# Allegro board SG2042_EVB_V1_1.brd (continued)
## Routing (per net, layer and track width the routed paths; a pad name or vN(x,y) marks a point on that pad's centre or on a via; arc(x,y) is an arc through that point) (continued)
DDR0_DQ12: length 91
  TOP w0.16: U1.AM54 v1(163.97,102.15)
  BOTTOM w0.089: 188.29,153.43 188.29,153.42
  BOTTOM w0.114: v1(163.97,102.15) 164.59,102.76 166.65,102.76 167.54,103.65 168.5,103.65 170.25,105.4 170.25,134.89 177.03,141.68 178.57,141.68 188.82,151.93 188.82,152.88 188.29,153.42
  BOTTOM w0.16: 188.29,153.43 188.29,153.92 187.44,154.77 187.44,157.17 187.81,157.54 187.81,157.76 187.45,158.12 187.45,158.34 187.74,158.63 187.96,158.63 188.32,158.27 188.54,158.27 189.06,158.78 194.48,158.78 194.69,158.57 195.05,158.57 arc(195.35,158.51) 195.61,158.34 196.01,157.94 arc(196.24,157.79) 196.52,157.73 196.58,157.73 arc(196.83,157.78) 197.04,157.92 197.46,158.34 arc(197.72,158.51) 198.02,158.57 198.87,158.57 arc(199.17,158.51) 199.43,158.34 199.83,157.94 arc(200.06,157.79) 200.34,157.73 201.13,157.73 arc(201.43,157.79) 201.69,157.97 202.07,158.34 arc(202.33,158.51) 202.63,158.57 205.59,158.57 arc(205.79,158.53) J1.14
DDR0_DQ13: length 90.2
  TOP w0.16: U1.AM55 v1(164.97,102.15)
  BOTTOM w0.089: 189.01,153.43 189.19,153.25 189.19,151.78 178.72,141.31 177.24,141.31 170.62,134.69 170.62,105.25 168.65,103.28 167.54,103.28 166.78,102.52 165.35,102.52 v1(164.97,102.15)
  BOTTOM w0.16: J1.159 205.87,157.57 arc(205.57,157.63) 205.31,157.81 205.09,158.03 arc(204.83,158.2) 204.52,158.26 203.6,158.26 arc(203.29,158.2) 203.03,158.03 202.66,157.65 arc(202.4,157.48) 202.09,157.42 200.24,157.42 arc(199.94,157.48) 199.68,157.65 199.29,158.05 arc(199.05,158.21) 198.77,158.26 198.67,158.26 arc(198.36,158.2) 198.1,158.03 197.73,157.65 arc(197.47,157.48) 197.16,157.42 196.42,157.42 arc(196.12,157.48) 195.86,157.65 195.45,158.06 arc(195.23,158.21) 194.97,158.26 194.68,158.26 194.48,158.06 189.35,158.06 188.16,156.87 188.16,155.07 189.01,154.22 189.01,153.43
DDR0_DQ14: length 88
  TOP w0.16: U1.AR56 v1(165.97,99.15)
  BOTTOM w0.114: 182.03,139.13 182.03,138.52 174.07,130.57 174.07,103.52 170.17,99.62 166.98,99.62 166.51,99.15 v1(165.97,99.15)
  BOTTOM w0.16: J1.21 204.14,152.25 203.47,152.25 arc(203.16,152.19) 202.9,152.01 202.05,151.17 arc(201.8,150.99) 201.49,150.93 200.36,150.93 arc(200.1,150.98) 199.88,151.13 199.46,151.55 arc(199.2,151.72) 198.9,151.78 198.03,151.78 arc(197.72,151.72) 197.46,151.55 197.05,151.13 arc(196.83,150.98) 196.57,150.93 196.36,150.93 arc(196.05,150.99) 195.79,151.17 195.57,151.39 arc(195.31,151.56) 195.01,151.62 194.86,151.62 arc(194.55,151.56) 194.29,151.39 190.53,147.63 190.53,147.4 190.87,147.06 190.87,146.83 190.59,146.55 190.36,146.55 190.02,146.89 189.8,146.89 189.51,146.61 189.51,146.38 190.16,145.73 190.16,145.51 189.88,145.22 189.65,145.22 189,145.87 188.78,145.87 188.49,145.59 188.49,145.36 189.14,144.71 189.14,144.49 188.86,144.2 188.63,144.2 187.98,144.85 187.76,144.85 187.47,144.57 187.47,144.34 188.12,143.7 188.12,143.47 187.84,143.19 187.61,143.19 186.97,143.83 186.74,143.83 186.46,143.55 186.46,143.33 187.1,142.68 187.1,142.45 186.82,142.17 186.6,142.17 185.95,142.82 185.72,142.82 182.03,139.13
DDR0_DQ15: length 89.8
  TOP w0.16: U1.AT53 v1(162.97,98.15)
  BOTTOM w0.089: 182.54,138.62 182.54,138.51 174.44,130.41 174.44,103.37 170.32,99.25 166.99,99.25 166.49,98.75 163.58,98.75 v1(162.97,98.15)
  BOTTOM w0.16: 182.54,138.62 183.3,139.37 183.52,139.37 183.84,139.06 184.07,139.06 184.35,139.34 184.35,139.57 184.03,139.88 184.03,140.11 184.32,140.39 184.54,140.39 184.86,140.08 185.08,140.08 185.37,140.36 185.37,140.58 185.05,140.9 185.05,141.13 185.37,141.45 187.12,141.45 191.61,145.93 191.61,147.68 193.61,149.69 arc(193.87,149.86) 194.18,149.92 195.01,149.92 arc(195.31,149.98) 195.57,150.16 195.79,150.38 arc(196.05,150.55) 196.36,150.61 197.3,150.61 arc(197.6,150.67) 197.86,150.85 198.29,151.27 arc(198.5,151.41) 198.75,151.46 198.78,151.46 arc(199.03,151.41) 199.24,151.27 199.66,150.85 arc(199.92,150.67) 200.23,150.61 201.89,150.61 arc(202.2,150.67) 202.46,150.85 202.76,151.15 arc(203.02,151.32) 203.33,151.38 203.63,151.38 arc(203.77,151.41) 203.89,151.49 203.91,151.51 arc(204.03,151.59) 204.17,151.62 204.4,151.62 arc(204.71,151.68) 204.97,151.86 205.35,152.24 arc(205.61,152.41) 205.92,152.47 206.3,152.47 arc(206.61,152.41) 206.87,152.24 207.25,151.86 arc(207.51,151.68) 207.82,151.62 J1.166
DDR0_DQ16: length 78.4
  TOP w0.16: U1.AG52 v1(161.97,107.15)
  ART03 w0.089: 166.97,108.79 166.95,108.77 166.39,108.77 166.17,108.55 161.79,108.55 161.57,108.33 161.57,107.55 v1(161.97,107.15)
  ART03 w0.168: 166.97,108.79 169.45,111.27 169.45,127.78 179.64,137.98 179.64,138.22 179.33,138.53 179.33,138.77 179.63,139.06 179.86,139.06 180.18,138.75 180.42,138.75 180.71,139.05 180.71,139.28 180.4,139.6 180.4,139.83 180.69,140.13 180.93,140.13 181.25,139.82 181.48,139.82 181.78,140.11 181.78,140.35 181.46,140.66 181.46,140.9 181.76,141.2 182,141.2 182.31,140.88 182.55,140.88 182.85,141.18 182.85,141.42 182.53,141.73 182.53,141.97 182.83,142.26 183.07,142.26 183.38,141.95 183.62,141.95 183.91,142.25 183.91,142.48 183.6,142.8 183.6,143.04 183.9,143.33 184.13,143.33 184.45,143.02 184.68,143.02 185.08,143.42 185.08,144.52 188.19,147.62 194.23,147.62 194.67,148.06 194.98,148.06 arc(195.23,148.01) 195.44,147.87 195.85,147.46 arc(196.13,147.28) 196.45,147.22 197.28,147.22 arc(197.6,147.28) 197.87,147.46 198.28,147.87 arc(198.5,148.02) 198.75,148.06 198.78,148.06 arc(199.03,148.02) 199.24,147.87 199.65,147.46 arc(199.93,147.28) 200.25,147.22 203.98,147.22 arc(204.19,147.26) J1.27
DDR0_DQ17: length 79.8
  TOP w0.16: U1.AH51 v1(160.97,107.15)
  ART03 w0.089: v1(160.97,107.15) 161.38,107.55 161.38,108.41 161.71,108.74 166.09,108.74 166.75,109.4
  ART03 w0.168: J1.172 207.83,146.52 arc(207.51,146.59) 207.24,146.77 206.88,147.13 arc(206.61,147.31) 206.29,147.37 205.93,147.37 arc(205.61,147.44) 205.34,147.62 204.98,147.98 arc(204.71,148.16) 204.39,148.22 203.11,148.22 arc(202.79,148.16) 202.52,147.98 202.32,147.77 arc(202.04,147.59) 201.72,147.53 200.35,147.53 arc(200.1,147.58) 199.88,147.72 199.47,148.13 arc(199.2,148.31) 198.88,148.38 198.05,148.38 arc(197.73,148.31) 197.45,148.13 197.04,147.72 arc(196.83,147.58) 196.58,147.53 196.55,147.53 arc(196.3,147.58) 196.08,147.72 195.67,148.13 arc(195.4,148.31) 195.08,148.38 194.68,148.38 194.57,148.49 192.89,148.49 192.64,148.74 192.34,148.74 192.09,148.49 191.79,148.49 191.54,148.74 191.24,148.74 190.99,148.49 190.69,148.49 190.44,148.74 190.15,148.74 189.89,148.49 188.22,148.49 178.64,138.91 178.64,137.82 169.09,128.27 169.09,128.25 168.86,128.03 168.86,111.51 166.75,109.4
DDR0_DQ18: length 79.4
  TOP w0.16: U1.AL51 v1(160.97,103.15)
  ART03 w0.089: v1(160.97,103.15) 161.57,103.74 167.47,103.74 167.98,104.25
  ART03 w0.168: 167.98,104.25 168.25,104.25 173.53,109.53 173.53,124.33 182.12,132.92 182.12,133.16 181.48,133.8 181.48,134.04 181.77,134.34 182.01,134.34 182.65,133.69 182.89,133.69 183.19,133.99 183.19,134.23 182.54,134.87 182.54,135.11 182.84,135.4 183.08,135.4 183.72,134.76 183.96,134.76 184.26,135.06 184.26,135.29 183.61,135.94 183.61,136.18 183.91,136.47 184.14,136.47 184.79,135.83 185.03,135.83 185.32,136.12 185.32,136.36 184.68,137.01 184.68,137.24 189.15,141.71 194.54,141.71 194.68,141.58 195.08,141.58 arc(195.4,141.51) 195.67,141.33 196.08,140.92 arc(196.3,140.78) 196.55,140.73 196.95,140.73 arc(197.27,140.79) 197.54,140.97 197.9,141.33 arc(198.17,141.51) 198.49,141.58 198.87,141.58 arc(199.19,141.51) 199.47,141.33 199.86,140.93 arc(200.09,140.78) 200.36,140.73 201.1,140.73 arc(201.42,140.79) 201.69,140.97 202.05,141.33 arc(202.32,141.51) 202.64,141.58 205.58,141.58 arc(205.79,141.54) J1.34
DDR0_DQ19: length 78.4
  TOP w0.16: U1.AL52 v1(161.97,103.15)
  ART03 w0.089: v1(161.97,103.15) 162.38,103.55 167.55,103.55 167.66,103.66 167.98,103.66
  ART03 w0.168: 167.98,103.66 168.49,103.66 174.11,109.29 174.11,124.07 187.03,136.98 187.03,137.22 186.4,137.85 186.4,138.09 186.7,138.38 186.93,138.38 187.56,137.76 187.8,137.76 188.1,138.05 188.1,138.29 187.47,138.92 187.47,139.16 187.76,139.45 188,139.45 188.63,138.82 188.87,138.82 189.16,139.12 189.16,139.36 188.53,139.99 188.53,140.22 189.44,141.13 194.53,141.13 194.67,141.26 194.98,141.26 arc(195.23,141.21) 195.44,141.07 195.85,140.66 arc(196.13,140.48) 196.45,140.42 197.28,140.42 arc(197.6,140.48) 197.87,140.66 198.28,141.07 arc(198.5,141.22) 198.75,141.26 198.78,141.26 arc(199.03,141.22) 199.24,141.07 199.65,140.66 arc(199.93,140.48) 200.25,140.42 202.09,140.42 arc(202.41,140.48) 202.68,140.66 203.04,141.02 arc(203.31,141.2) 203.63,141.26 204.54,141.26 arc(204.87,141.2) 205.14,141.02 205.34,140.82 arc(205.61,140.64) 205.93,140.57 J1.179
DDR0_DQ20: length 80.7
  TOP w0.16: U1.AH49 v1(158.97,106.15)
  ART03 w0.089: v1(158.97,106.15) 159.57,106.74 159.57,109.31 159.81,109.55 165.14,109.55 165.64,110.05 166.11,110.05 166.49,110.43 166.95,110.43 166.97,110.45
  ART03 w0.168: 166.97,110.45 168.28,111.76 168.28,128.27 168.48,128.47 168.48,128.5 175.9,135.92 175.9,136.16 175.42,136.64 175.42,136.88 175.72,137.17 175.96,137.17 176.44,136.69 176.67,136.69 176.97,136.99 176.97,137.23 176.49,137.71 176.49,137.94 176.79,138.24 177.03,138.24 177.5,137.76 177.74,137.76 178.04,138.06 178.04,138.29 177.56,138.77 177.56,139.01 188.18,149.63 194.53,149.63 194.67,149.77 194.98,149.77 arc(195.23,149.71) 195.44,149.57 195.85,149.16 arc(196.13,148.98) 196.45,148.92 197.28,148.92 arc(197.6,148.98) 197.87,149.16 198.28,149.57 arc(198.5,149.72) 198.75,149.77 198.78,149.77 arc(199.03,149.72) 199.24,149.57 199.61,149.2 arc(199.88,149.02) 200.2,148.96 204.09,148.96 arc(204.24,148.99) J1.25
DDR0_DQ21: length 82.7
  TOP w0.16: U1.AG50 v1(158.97,107.15)
  ART03 w0.089: 166.63,110.94 166.63,110.85 166.03,110.24 165.56,110.24 165.06,109.74 159.73,109.74 159.38,109.39 159.38,107.55 v1(158.97,107.15)
  ART03 w0.168: J1.170 207.83,148.22 arc(207.51,148.29) 207.24,148.47 206.88,148.83 arc(206.61,149.01) 206.29,149.07 205.93,149.07 arc(205.61,149.14) 205.34,149.32 204.98,149.68 arc(204.71,149.86) 204.39,149.92 202.96,149.92 arc(202.64,149.86) 202.37,149.68 202.17,149.47 arc(201.9,149.29) 201.57,149.23 200.35,149.23 arc(200.1,149.28) 199.88,149.42 199.47,149.83 arc(199.2,150.01) 198.88,150.08 198.05,150.08 arc(197.73,150.01) 197.45,149.83 197.04,149.42 arc(196.83,149.28) 196.58,149.23 196.55,149.23 arc(196.3,149.28) 196.08,149.42 195.67,149.83 arc(195.4,150.01) 195.08,150.08 194.68,150.08 194.54,150.21 187.93,150.21 174.84,137.12 174.84,135.69 167.82,128.67 167.82,128.64 167.69,128.51 167.69,112 166.63,110.94
DDR0_DQ22: length 80.7
  TOP w0.16: U1.AL49 v1(158.97,103.15)
  ART03 w0.089: v1(158.97,103.15) 159.48,103.66 160.25,103.66 160.45,103.86 160.45,104.32 160.78,104.65 161.85,104.65 161.95,104.74 167.06,104.74 167.98,105.67
  ART03 w0.168: 167.98,105.67 168,105.67 172.35,110.02 172.35,126.58 172.76,126.98 172.99,126.98 173.5,126.47 173.74,126.47 174.04,126.77 174.04,127 173.53,127.51 173.53,127.75 173.82,128.05 174.06,128.05 174.57,127.54 174.81,127.54 175.1,127.83 175.1,128.07 174.59,128.58 174.59,128.82 174.89,129.11 175.13,129.11 175.64,128.6 175.87,128.6 176.17,128.9 176.17,129.14 175.66,129.65 175.66,129.88 189.19,143.41 194.54,143.41 194.68,143.28 195.08,143.28 arc(195.4,143.21) 195.67,143.03 196.08,142.62 arc(196.3,142.48) 196.55,142.43 196.95,142.43 arc(197.27,142.49) 197.54,142.67 197.9,143.03 arc(198.17,143.21) 198.49,143.28 198.87,143.28 arc(199.19,143.21) 199.47,143.03 199.86,142.63 arc(200.09,142.48) 200.36,142.43 201.1,142.43 arc(201.42,142.49) 201.69,142.67 202.05,143.03 arc(202.32,143.21) 202.64,143.28 205.58,143.28 arc(205.79,143.24) J1.32
DDR0_DQ23: length 78.7
  TOP w0.16: U1.AK52 v1(161.97,104.15)
  ART03 w0.089: v1(161.97,104.15) 162.38,104.55 167.13,104.55 167.42,104.84 167.98,104.84
  ART03 w0.168: 167.98,104.84 168,104.84 172.94,109.77 172.94,124.58 178.16,129.8 178.16,130.04 177.52,130.68 177.52,130.92 177.82,131.21 178.06,131.21 178.7,130.57 178.94,130.57 179.23,130.87 179.23,131.11 178.59,131.75 178.59,131.99 178.89,132.28 179.13,132.28 179.77,131.64 180,131.64 180.3,131.94 180.3,132.17 179.66,132.82 179.66,133.05 189.43,142.83 194.53,142.83 194.67,142.96 194.98,142.96 arc(195.23,142.91) 195.44,142.77 195.85,142.36 arc(196.13,142.18) 196.45,142.12 197.28,142.12 arc(197.6,142.18) 197.87,142.36 198.28,142.77 arc(198.5,142.92) 198.75,142.96 198.78,142.96 arc(199.03,142.92) 199.24,142.77 199.65,142.36 arc(199.93,142.18) 200.25,142.12 202.09,142.12 arc(202.41,142.18) 202.68,142.36 203.04,142.72 arc(203.31,142.9) 203.63,142.96 204.55,142.96 arc(204.87,142.9) 205.14,142.72 205.34,142.52 arc(205.61,142.34) 205.93,142.27 J1.177
DDR0_DQ24: length 79.8
  TOP w0.16: U1.AN49 v1(158.97,101.15)
  ART03 w0.089: 167.98,101.48 167.66,101.48 167.4,101.74 159.57,101.74 v1(158.97,101.15)
  ART03 w0.168: 167.98,101.48 169.37,101.48 176.29,108.41 176.29,121.82 185.02,130.55 185.02,130.78 184.59,131.21 184.59,131.44 184.89,131.74 185.13,131.74 185.55,131.32 185.79,131.32 186.09,131.61 186.09,131.85 185.66,132.27 185.66,132.51 185.96,132.81 186.19,132.81 186.62,132.38 186.86,132.38 187.15,132.68 187.15,132.92 186.73,133.34 186.73,133.58 187.03,133.88 187.26,133.88 187.69,133.45 187.92,133.45 188.22,133.75 188.22,133.98 187.8,134.41 187.8,134.65 188.09,134.94 188.33,134.94 188.75,134.52 188.99,134.52 189.29,134.82 189.29,135.05 188.86,135.48 188.86,135.71 191.94,138.79 194.07,138.79 194.68,138.18 195.08,138.18 arc(195.4,138.11) 195.67,137.93 196.08,137.52 arc(196.3,137.38) 196.55,137.33 196.95,137.33 arc(197.27,137.39) 197.54,137.57 197.9,137.93 arc(198.17,138.11) 198.49,138.18 198.87,138.18 arc(199.19,138.11) 199.47,137.93 199.86,137.53 arc(200.09,137.38) 200.36,137.33 201.1,137.33 arc(201.42,137.39) 201.69,137.57 202.05,137.93 arc(202.32,138.11) 202.64,138.18 205.58,138.18 arc(205.79,138.14) J1.38
DDR0_DQ25: length 77.4
  TOP w0.16: U1.AN51 v1(160.97,101.15)
  ART03 w0.089: 167.98,100.9 167.32,101.55 161.38,101.55 v1(160.97,101.15)
  ART03 w0.168: 167.98,100.9 169.61,100.9 176.88,108.17 176.88,121.58 190.15,134.85 190.15,135.09 189.73,135.51 189.73,135.75 190.03,136.04 190.27,136.04 190.69,135.62 190.93,135.62 191.22,135.92 191.22,136.16 190.8,136.58 190.8,136.81 191.1,137.11 191.34,137.11 191.76,136.69 191.99,136.69 192.29,136.99 192.29,137.22 191.87,137.64 191.87,137.88 192.17,138.18 192.4,138.18 193.01,137.57 194.37,137.57 194.67,137.87 194.98,137.87 arc(195.23,137.81) 195.44,137.67 195.85,137.26 arc(196.13,137.08) 196.45,137.01 197.28,137.01 arc(197.6,137.08) 197.87,137.26 198.28,137.67 arc(198.5,137.82) 198.75,137.87 198.78,137.87 arc(199.03,137.82) 199.24,137.67 199.65,137.26 arc(199.93,137.08) 200.25,137.01 202.09,137.01 arc(202.41,137.08) 202.68,137.26 203.04,137.62 arc(203.31,137.8) 203.63,137.87 204.54,137.87 arc(204.87,137.8) 205.14,137.62 205.34,137.42 arc(205.61,137.24) 205.93,137.17 J1.183
DDR0_DQ26: length 76.2
  TOP w0.16: U1.AT51 v1(160.97,98.15)
  ART03 w0.089: 168.98,96.82 167.99,96.82 167.07,97.74 161.38,97.74 v1(160.97,98.15)
  ART03 w0.168: J1.45 204.32,132.07 arc(204.12,132.03) 203.96,131.92 202.81,130.77 arc(202.54,130.59) 202.22,130.53 200.35,130.53 arc(200.1,130.58) 199.88,130.72 199.47,131.13 arc(199.2,131.31) 198.88,131.38 198.05,131.38 arc(197.73,131.31) 197.45,131.13 197.04,130.72 arc(196.83,130.58) 196.58,130.53 196.55,130.53 arc(196.3,130.58) 196.08,130.72 195.67,131.13 arc(195.4,131.31) 195.08,131.38 193.99,131.38 193.67,131.06 193.44,131.06 192.91,131.59 192.67,131.59 192.38,131.29 192.38,131.05 192.9,130.53 192.9,130.29 192.61,129.99 192.37,129.99 191.84,130.52 191.61,130.52 191.31,130.22 191.31,129.99 191.84,129.46 191.84,129.22 191.54,128.93 191.3,128.93 190.78,129.45 190.54,129.45 190.24,129.16 190.24,128.92 190.77,128.39 190.77,128.16 190.47,127.86 190.23,127.86 189.71,128.39 189.47,128.39 189.18,128.09 189.18,127.85 189.7,127.33 189.7,127.09 189.4,126.79 189.17,126.79 188.64,127.32 188.41,127.32 188.11,127.02 188.11,126.78 188.63,126.26 188.63,126.02 186.55,123.94 186.55,122.08 180.96,116.49 180.96,106.48 171.3,96.82 168.98,96.82
DDR0_DQ27: length 77.5
  TOP w0.16: U1.AT49 v1(158.97,98.15)
  ART03 w0.089: v1(158.97,98.15) 159.57,97.55 166.99,97.55 167.91,96.63 168.58,96.63 168.98,96.23
  ART03 w0.168: 168.98,96.23 171.55,96.23 181.55,106.23 181.55,116.24 187.14,121.83 187.14,123.53 191.76,128.15 192,128.15 192.28,127.87 192.51,127.87 192.81,128.17 192.81,128.4 192.53,128.69 192.53,128.92 192.83,129.22 193.06,129.22 193.34,128.94 193.58,128.94 193.88,129.23 193.88,129.47 193.6,129.75 193.6,129.99 194.67,131.07 194.98,131.07 arc(195.23,131.01) 195.44,130.87 195.85,130.46 arc(196.13,130.28) 196.45,130.22 197.28,130.22 arc(197.6,130.28) 197.87,130.46 198.28,130.87 arc(198.5,131.02) 198.75,131.07 198.78,131.07 arc(199.03,131.02) 199.24,130.87 199.65,130.46 arc(199.93,130.28) 200.25,130.22 202.46,130.22 arc(202.78,130.28) 203.05,130.46 203.59,131 arc(203.84,131.16) 204.13,131.22 204.42,131.22 arc(204.71,131.16) 204.96,131 205.34,130.62 arc(205.61,130.44) 205.93,130.37 206.29,130.37 arc(206.61,130.44) 206.88,130.62 207.24,130.98 arc(207.51,131.16) 207.83,131.22 J1.190
DDR0_DQ28: length 78.4
  TOP w0.16: U1.AM50 v1(159.97,102.15)
  ART03 w0.089: 167.98,102.66 167.66,102.66 167.58,102.74 160.57,102.74 v1(159.97,102.15)
  ART03 w0.168: 167.98,102.66 168.88,102.66 175.12,108.89 175.12,123.65 175.49,124.03 175.73,124.03 176.17,123.59 176.4,123.59 176.7,123.89 176.7,124.12 176.26,124.56 176.26,124.8 176.56,125.09 176.8,125.09 177.23,124.66 177.47,124.66 177.77,124.96 177.77,125.19 177.33,125.63 177.33,125.87 177.63,126.16 177.87,126.16 178.3,125.73 178.54,125.73 178.84,126.02 178.84,126.26 178.4,126.7 178.4,126.93 178.7,127.23 178.93,127.23 179.37,126.79 179.61,126.79 179.9,127.09 179.9,127.33 179.47,127.76 179.47,128 191.48,140.01 194.54,140.01 194.68,139.88 195.08,139.88 arc(195.4,139.81) 195.67,139.63 196.08,139.22 arc(196.3,139.08) 196.55,139.03 196.95,139.03 arc(197.27,139.09) 197.54,139.27 197.9,139.63 arc(198.17,139.81) 198.49,139.88 198.87,139.88 arc(199.19,139.81) 199.47,139.63 199.86,139.23 arc(200.09,139.08) 200.36,139.03 201.1,139.03 arc(201.42,139.09) 201.69,139.27 202.05,139.63 arc(202.32,139.81) 202.64,139.88 205.58,139.88 arc(205.79,139.84) J1.36
DDR0_DQ29: length 77.7
  TOP w0.16: U1.AM52 v1(161.97,102.15)
  ART03 w0.089: 167.98,102.07 167.5,102.55 162.38,102.55 v1(161.97,102.15)
  ART03 w0.168: J1.181 205.93,138.87 arc(205.61,138.94) 205.34,139.12 205.14,139.32 arc(204.87,139.5) 204.54,139.57 203.63,139.57 arc(203.31,139.5) 203.04,139.32 202.68,138.96 arc(202.41,138.78) 202.09,138.71 200.25,138.71 arc(199.93,138.78) 199.65,138.96 199.24,139.37 arc(199.03,139.52) 198.78,139.57 198.75,139.57 arc(198.5,139.52) 198.28,139.37 197.87,138.96 arc(197.6,138.78) 197.28,138.71 196.45,138.71 arc(196.13,138.78) 195.85,138.96 195.44,139.37 arc(195.23,139.51) 194.98,139.57 194.67,139.57 194.53,139.43 191.73,139.43 183.57,131.26 183.57,131.03 184,130.59 184,130.36 183.7,130.06 183.47,130.06 183.03,130.49 182.79,130.49 182.5,130.2 182.5,129.96 182.93,129.53 182.93,129.29 182.64,128.99 182.4,128.99 181.96,129.43 181.73,129.43 181.43,129.13 181.43,128.89 181.86,128.46 181.86,128.22 181.57,127.93 181.33,127.93 180.9,128.36 180.66,128.36 180.36,128.06 180.36,127.82 180.8,127.39 180.8,127.15 175.71,122.06 175.71,108.65 169.13,102.07 167.98,102.07
DDR0_DQ30: length 75.4
  TOP w0.16: U1.AR52 v1(161.97,99.15)
  ART03 w0.089: 167.98,97.99 167.79,97.99 167.04,98.74 162.38,98.74 v1(161.97,99.15)
  ART03 w0.168: 167.98,97.99 170.82,97.99 179.79,106.96 179.79,118.6 180.29,119.1 180.53,119.1 181.1,118.52 181.34,118.52 181.63,118.82 181.63,119.06 181.06,119.63 181.06,119.87 181.36,120.17 181.59,120.17 182.17,119.59 182.41,119.59 182.7,119.89 182.7,120.12 182.13,120.7 182.13,120.94 182.42,121.23 182.66,121.23 183.24,120.66 183.47,120.66 183.77,120.95 183.77,121.19 183.19,121.77 183.19,122 183.49,122.3 183.73,122.3 184.3,121.73 184.54,121.73 184.84,122.02 184.84,122.26 184.26,122.83 184.26,123.07 185.38,124.19 185.38,125.96 192.94,133.53 194.23,133.53 194.68,133.08 195.08,133.08 arc(195.4,133.01) 195.67,132.83 196.08,132.42 arc(196.3,132.28) 196.55,132.23 196.58,132.23 arc(196.83,132.28) 197.04,132.42 197.45,132.83 arc(197.73,133.01) 198.05,133.08 198.88,133.08 arc(199.2,133.01) 199.47,132.83 199.88,132.42 arc(200.1,132.28) 200.35,132.23 201.45,132.23 arc(201.77,132.29) 202.05,132.47 202.88,133.31 arc(203.15,133.49) 203.47,133.55 203.83,133.55 arc(204.12,133.61) J1.43
DDR0_DQ31: length 75.3
  TOP w0.16: U1.AT52 v1(161.97,98.15)
  ART03 w0.089: v1(161.97,98.15) 162.38,98.55 166.96,98.55 168.11,97.4
  ART03 w0.168: 168.11,97.4 171.06,97.4 180.37,106.72 180.37,116.73 185.96,122.32 185.96,124.34 186.55,124.93 186.55,125.17 186.1,125.62 186.1,125.86 186.4,126.15 186.63,126.15 187.08,125.7 187.32,125.7 187.62,126 187.62,126.23 187.17,126.69 187.17,126.92 192.89,132.65 194.55,132.65 194.67,132.77 194.98,132.77 arc(195.23,132.71) 195.44,132.57 195.85,132.16 arc(196.13,131.98) 196.45,131.91 197.28,131.91 arc(197.6,131.98) 197.87,132.16 198.28,132.57 arc(198.5,132.71) 198.75,132.77 198.78,132.77 arc(199.03,132.71) 199.25,132.57 199.66,132.16 arc(199.93,131.98) 200.25,131.91 202.15,131.91 arc(202.48,131.98) 202.75,132.16 203.11,132.52 arc(203.29,132.65) 203.51,132.69 203.71,132.69 arc(203.85,132.72) 203.96,132.79 203.99,132.82 arc(204.1,132.89) 204.24,132.92 204.43,132.92 arc(204.71,132.87) 204.95,132.71 205.34,132.32 arc(205.61,132.14) 205.93,132.07 206.29,132.07 arc(206.61,132.14) 206.88,132.32 207.24,132.68 arc(207.51,132.86) 207.83,132.92 J1.188
DDR0_DQ32: length 49.7
  TOP w0.16: U1.BJ56 v1(165.97,85.15)
  BOTTOM w0.114: v1(165.97,85.15) 166.39,85.15 166.66,84.88 184.45,84.88 185.22,84.11
  BOTTOM w0.16: 185.22,84.11 185.91,83.42 186.53,83.42 186.69,83.58 186.69,84.35 186.85,84.51 187.25,84.51 187.41,84.35 187.41,83.58 187.57,83.42 187.97,83.42 188.13,83.58 188.13,84.35 188.29,84.51 188.69,84.51 188.85,84.35 188.85,83.58 189.01,83.42 189.41,83.42 189.57,83.58 189.57,84.35 189.73,84.51 190.13,84.51 190.29,84.35 190.29,83.58 190.45,83.42 190.85,83.42 191.01,83.58 191.01,84.35 191.17,84.51 191.57,84.51 191.73,84.35 191.73,83.58 191.89,83.42 192.29,83.42 192.45,83.58 192.45,84.27 192.61,84.43 193.01,84.43 193.17,84.27 193.17,83.58 193.33,83.42 194.64,83.42 194.68,83.46 194.97,83.46 arc(195.23,83.41) 195.45,83.26 195.86,82.85 arc(196.12,82.67) 196.43,82.61 197.3,82.61 arc(197.6,82.67) 197.86,82.85 198.29,83.27 arc(198.5,83.41) 198.75,83.46 198.78,83.46 arc(199.03,83.41) 199.24,83.27 199.66,82.85 arc(199.92,82.67) 200.23,82.61 202.02,82.61 arc(202.26,82.66) 202.47,82.8 202.49,82.82 arc(202.7,82.96) 202.94,83.01 203.79,83.01 arc(204.1,82.95) J1.97
DDR0_DQ33: length 52.5
  TOP w0.16: U1.BH53 v1(162.97,86.15)
  BOTTOM w0.089: 185.22,84.83 184.8,85.25 166.72,85.25 166.45,85.52 163.6,85.52 v1(162.97,86.15)
  BOTTOM w0.16: J1.242 207.77,81.92 arc(207.46,81.98) 207.2,82.16 206.82,82.54 arc(206.56,82.71) 206.25,82.78 205.84,82.78 arc(205.54,82.84) 205.28,83.01 204.91,83.38 arc(204.65,83.56) 204.34,83.62 204.1,83.62 arc(203.95,83.65) 203.82,83.73 203.79,83.75 arc(203.67,83.84) 203.51,83.87 203.05,83.87 arc(202.74,83.81) 202.48,83.64 202.01,83.17 arc(201.75,82.99) 201.44,82.93 200.36,82.93 arc(200.1,82.98) 199.88,83.13 199.46,83.55 arc(199.2,83.72) 198.9,83.78 198.03,83.78 arc(197.72,83.72) 197.46,83.55 197.04,83.12 arc(196.83,82.98) 196.58,82.93 196.55,82.93 arc(196.3,82.98) 196.09,83.12 195.66,83.55 arc(195.4,83.72) 195.1,83.78 194.68,83.78 193.23,85.23 188.1,85.23 187.94,85.39 187.94,86.2 187.78,86.36 187.38,86.36 187.22,86.2 187.22,85.39 187.06,85.23 186.55,85.23 186.16,84.83 185.22,84.83
DDR0_DQ34: length 49.4
  TOP w0.16: U1.BM55 v1(164.97,82.15)
  BOTTOM w0.089: 182.5,80.41 182.5,80.66 181.73,81.43 166.83,81.43 166.49,81.77 165.35,81.77 v1(164.97,82.15)
  BOTTOM w0.16: 182.5,80.41 186.14,76.77 187.28,76.77 187.44,76.61 187.44,76.1 187.6,75.94 188,75.94 188.16,76.1 188.16,76.61 188.32,76.77 188.72,76.77 188.88,76.61 188.88,76.1 189.04,75.94 189.44,75.94 189.6,76.1 189.6,76.61 189.76,76.77 190.16,76.77 190.32,76.61 190.32,76.1 190.48,75.94 190.88,75.94 191.04,76.1 191.04,76.61 191.2,76.77 192.1,76.77 192.51,77.18 194.48,77.18 194.68,76.98 195.1,76.98 arc(195.4,76.92) 195.66,76.75 196.09,76.32 arc(196.3,76.18) 196.55,76.13 196.58,76.13 arc(196.83,76.18) 197.04,76.32 197.46,76.75 arc(197.72,76.92) 198.03,76.98 198.9,76.98 arc(199.2,76.92) 199.46,76.75 199.88,76.33 arc(200.1,76.18) 200.36,76.13 201.12,76.13 arc(201.43,76.19) 201.69,76.37 202.07,76.75 arc(202.33,76.92) 202.64,76.98 205.57,76.98 arc(205.78,76.94) J1.104
DDR0_DQ35: length 50.2
  TOP w0.16: U1.BM54 v1(163.97,82.15)
  BOTTOM w0.114: v1(163.97,82.15) 164.59,81.53 166.2,81.53 166.68,81.06 181.58,81.06 181.99,80.65 181.99,79.9
  BOTTOM w0.16: 181.99,79.9 186.67,75.22 191.57,75.22 192.81,76.46 194.48,76.46 194.68,76.66 194.98,76.66 arc(195.23,76.61) 195.44,76.47 195.86,76.05 arc(196.12,75.87) 196.43,75.81 197.3,75.81 arc(197.6,75.87) 197.86,76.05 198.29,76.47 arc(198.5,76.61) 198.75,76.66 198.78,76.66 arc(199.03,76.61) 199.24,76.47 199.66,76.05 arc(199.92,75.87) 200.23,75.81 202.09,75.81 arc(202.39,75.87) 202.65,76.05 203.03,76.43 arc(203.29,76.6) 203.6,76.66 204.56,76.66 arc(204.87,76.6) 205.13,76.43 205.35,76.21 arc(205.61,76.03) 205.92,75.97 J1.249
DDR0_DQ36: length 51.1
  TOP w0.16: U1.BH55 v1(164.97,86.15)